# KiCad board RP2040-Breadstick Panel.kicad_pcb (continued)
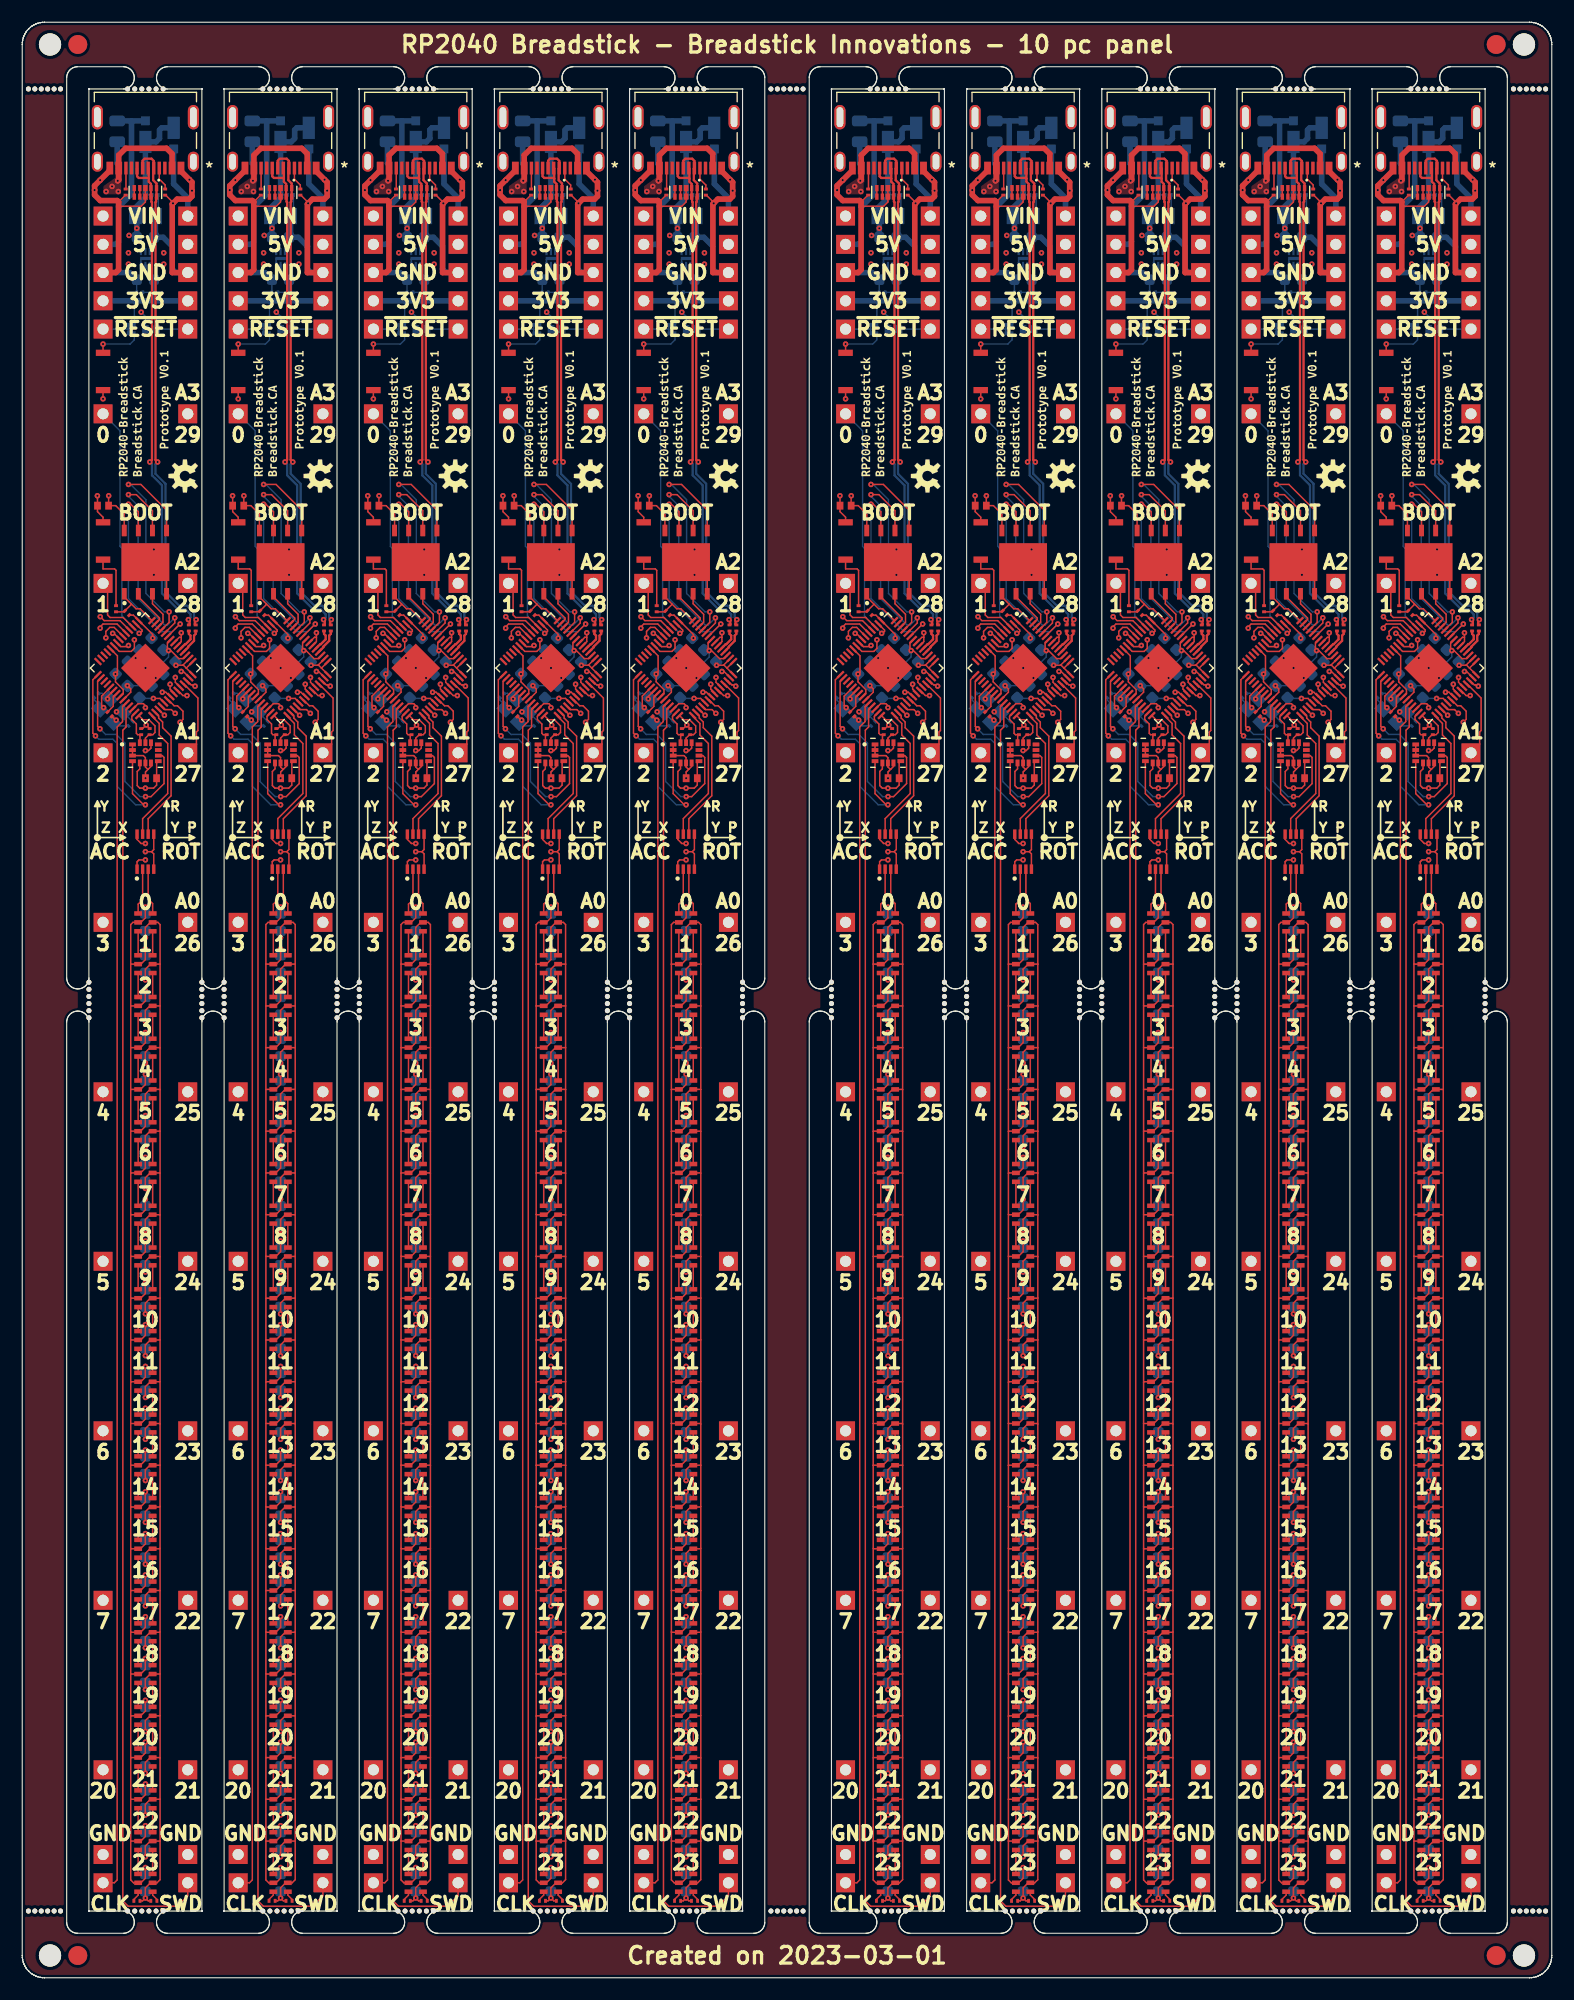
[diagram p0: board, top side]
## Routing (per net, layer and track width the routed paths; a pad name or vN(x,y) marks a point on that pad's centre or on a via; arc(x,y) is an arc through that point) (continued)
Board_9-/RP2040/D4: length 44.8
  L1_SIG.Cu w0.127: U201#3.6 123.71,121.42 123.32,121.42 122.96,121.06 v1(122.96,120.48)
  L3_SIG.Cu w0.127: J209.1 122.71,92.33 123.84,93.46 123.84,108.2 124.3,108.66 124.3,112.5 124.46,112.66 124.46,114.39 122.96,115.89 v1(122.96,120.48)
Board_9-/RP2040/D5: length 59
  L1_SIG.Cu w0.127: v1(123.57,120.88) 123.68,120.88 U201#3.7
  L3_SIG.Cu w0.127: v1(123.57,120.88) 123.57,117.89 123.32,117.63 123.32,116.98 124.83,115.47 124.83,112.25 124.76,112.18 124.76,108.31 124.43,107.98 124.43,92.85 123.85,92.27 123.85,78.22 122.71,77.08 J210#5.1
Board_9-/RP2040/D6: length 73.9
  L1_SIG.Cu w0.127: v1(125,119.79) 124.89,119.69 124.31,119.69 U201#3.8
  L3_SIG.Cu w0.127: v1(125,119.79) 124.64,119.79 124.36,119.51 124.36,117.72 125.42,116.66 125.42,114.03 125.23,113.84 125.23,112.07 125.17,112.01 125.17,108.08 125.02,107.93 125.02,92.21 124.5,91.69 124.5,63.31 122.71,61.52 J211#6.1
Board_9-/RP2040/D7: length 91.4
  L1_SIG.Cu w0.127: v1(125.53,120.3) 125.53,119.54 125.25,119.26 124.17,119.26 U201#3.9
  L3_SIG.Cu w0.127: v1(125.53,120.3) 125.53,119.33 125.13,118.93 125.13,118.17 126.19,117.11 126.19,114.79 125.85,114.45 125.85,113.42 125.62,113.19 125.62,107.8 125.5,107.68 125.5,91.44 125.26,91.2 125.26,62.09 124.04,60.87 124.04,44.1 122.71,42.77 J212#2.1
Board_9-/RP2040/D20: length 98.8
  L1_SIG.Cu w0.127: v1(128.23,113.52) 128.21,113.52 U201#3.31
  L3_SIG.Cu w0.127: v1(128.23,113.52) 126.71,113.52 126.03,112.84 126.03,61.15 125.29,60.41 125.29,32.49 122.71,29.91 J204#7.1
Board_9-/RP2040/D21: length 99.2
  L1_SIG.Cu w0.127: U201#3.32 128.27,114.03 128.86,114.03 129.19,113.69 v1(129.2,113.69)
  L3_SIG.Cu w0.127: v1(129.2,113.69) 129,113.49 129,113.17 128.83,113 128.03,113 127.03,112 127.03,61.15 127.78,60.4 127.78,32.39 130.33,29.84 J203#10.1
Board_9-/RP2040/D22: length 84.5
  L1_SIG.Cu w0.127: v1(129.64,112.89) 129.9,113.15 129.9,113.88 129.41,114.37 129.11,114.37 128.57,114.91 U201#3.34
  L3_SIG.Cu w0.127: v1(129.64,112.89) 129.36,112.61 128.29,112.61 127.5,111.82 127.5,107.82 127.58,107.74 127.58,91.48 127.81,91.25 127.81,62.28 129.03,61.06 129.03,44.18 130.27,42.94 130.27,34 J213#2.1
Board_9-/RP2040/D23: length 71.1
  L1_SIG.Cu w0.127: U201#3.35 128.75,115.19 128.35,115.59 v1(128.04,115.59)
  L3_SIG.Cu w0.127: v1(128.04,115.59) 128.36,115.59 130.16,113.79 130.16,112.48 129.92,112.24 128.5,112.24 127.96,111.7 127.96,108.08 128.1,107.94 128.1,92.01 128.55,91.56 128.55,63.31 130.33,61.53 J214#8.1
Board_9-/RP2040/D24: length 56.2
  L1_SIG.Cu w0.127: U201#3.36 129.09,115.52 128.74,115.87 v1(128.74,116.31)
  L3_SIG.Cu w0.127: v1(128.74,116.31) 128.74,115.87 130.53,114.08 130.53,112.19 130.25,111.92 128.7,111.92 128.38,111.6 128.38,108.31 128.64,108.05 128.64,92.71 129.2,92.15 129.2,78.12 130.33,76.99 J215#4.1
Board_9-/RP2040/D25: length 39.4
  L1_SIG.Cu w0.127: v1(130.26,115.29) 129.89,115.29 129.42,115.76 U201#3.37
  L3_SIG.Cu w0.127: v1(130.26,115.29) 130.88,114.67 130.88,111.95 130.56,111.63 128.98,111.63 128.79,111.44 128.79,108.69 129.21,108.27 129.21,93.35 130.33,92.23 J202#5.1
Board_9-/RP2040/MCU_QSPI_CSN: length 5.4
  L1_SIG.Cu w0.127: 125.24,123.54 125.68,123.09 126.04,123.09 U201#3.56 ; 125.24,123.54 125.24,123.47 R205#9.2 124.59,122.82 R204#10.2 ; 125.24,123.54 124.61,124.16 U203#4.1
Board_9-/RP2040/MCU_QSPI_SCLK: length 20.6
  L1_SIG.Cu w0.127: v1(129.16,122.28) 129.16,121.82 U201#3.52 ; 127.16,130.13 127.16,131.91 125.71,133.36 v1(125,133.36)
  L8_SIG.Cu w0.127: v1(129.16,122.28) 128.5,121.62 128.25,121.62 125.86,124.01 125.86,132.34 125,133.2 v1(125,133.36)
Board_9-/RP2040/MCU_QSPI_SD0: length 21.5
  L1_SIG.Cu w0.127: U203#4.5 128.42,131.96 126.11,134.27 v1(125,134.27) ; v1(128.65,122.81) 128.65,121.87 U201#3.53
  L8_SIG.Cu w0.127: v1(125,134.27) 125.2,134.27 126.57,132.9 126.57,124.47 128.22,122.81 v1(128.65,122.81)
Board_9-/RP2040/MCU_QSPI_SD1: length 3.6
  L1_SIG.Cu w0.127: U201#3.55 127.79,122.14 127.79,122.26 125.89,124.16 U203#4.2
Board_9-/RP2040/MCU_QSPI_SD2: length 3.5
  L1_SIG.Cu w0.127: 127.16,124.44 127.16,123.55 128.1,122.6 128.1,121.89 U201#3.54
Board_9-/RP2040/MCU_QSPI_SD3: length 19.1
  L1_SIG.Cu w0.127: v1(125,132.49) 125.2,132.49 125.89,131.81 U203#4.7 ; v1(129.64,121.72) 129.63,121.72 U201#3.51
  L8_SIG.Cu w0.127: v1(129.64,121.72) 128.96,121.04 127.97,121.04 125,124.01 v1(125,132.49)
Board_9-/RP2040/MCU_USB_D+: length 2.1
  L1_SIG.Cu w0.2: U201#3.47 130.08,119.91 130.14,119.91
  L1_SIG.Cu w0.203: 130.14,119.91 130.58,120.35 130.58,120.68 130.43,120.83 R203#8.1
Board_9-/RP2040/MCU_USB_D-: length 2.3
  L1_SIG.Cu w0.2: U201#3.46 130.37,119.63 130.37,119.68
  L1_SIG.Cu w0.203: 130.37,119.68 130.9,120.21 130.9,120.68 131.04,120.83 R202.1
Board_9-/RP2040/USB_D+: length 45.2
  L1_SIG.Cu w0.203: 126.82,161.77 126.76,161.83 125.92,161.83 125.77,161.98 J221#4.B6 ; 126.82,161.77 126.82,162.67 J221#4.A6 ; 126.82,161.77 126.82,161.49 127.02,161.29 U202#3.2 U202#3.9 127.06,160.11 127.06,159.7 127.11,159.64 127.11,136.48 v1(126.92,136.29) ; R203#8.2 130.5,121.71 130.5,122 v1(130.39,122.12)
  L8_SIG.Cu w0.203: v1(130.39,122.12) 130.58,122.31 130.58,122.6 130.12,123.05 129.43,123.05 128.01,124.47 128.01,134.19 127.11,135.09 127.11,136.1 v1(126.92,136.29)
Board_9-/RP2040/USB_D-: length 45.9
  L1_SIG.Cu w0.203: v1(131.09,122.12) 130.97,122 130.97,121.71 R202.2 ; J221#4.A7 126.27,163.38 126.45,163.56 127.07,163.56 127.27,163.36 J221#4.B7 127.22,162.67 127.22,161.63 127.52,161.33 U202#3.1 U202#3.10 127.48,160.11 127.48,159.7 127.43,159.64 127.43,136.48 v1(127.62,136.29)
  L8_SIG.Cu w0.203: v1(131.09,122.12) 130.9,122.31 130.9,122.73 130.26,123.37 129.57,123.37 128.33,124.61 128.33,134.33 127.43,135.23 127.43,136.1 v1(127.62,136.29)
Board_9-/RP2040/~{RESET}: length 49.9
  L1_SIG.Cu w0.127: U201#3.26 125.87,114.56 126.34,114.56 126.52,114.38 v1(126.52,114.2)
  L3_SIG.Cu w0.127: 125.89,148.24 125.89,121.77 126.57,121.09 126.57,118.52 127.15,117.94 127.15,117.49 126.75,117.09 126.75,114.43 v1(126.52,114.2)
  L3_SIG.Cu w0.5: J201#3.1 J222#4.1
  L8_SIG.Cu w0.127: C207#5.1 J201#3.1 ; 124.98,148.22 124.95,148.24 J222#4.1 ; 124.98,148.22 R211#9.2 ; 124.98,148.22 R208#4.2
Board_9-GND: length 241.1
  L1_SIG.Cu w0.127: 127.08,101.25 127.27,101.44 IC301#10.5 ; 127.08,101.25 v1(126.52,101.25) ; 127.08,101.25 127.27,101.06 IC301#10.4 ; U202#3.3 U202#3.8 126.52,159.67 126.14,159.29 124.11,159.29 ; 127.84,12.3 127.83,12.29 LED323#6.2 126.97,12.29 126.52,11.84 v1(126.52,10.88) ; 127.84,12.3 127.84,8.82 127.56,8.54 LED324#4.2 126.97,8.54 126.52,8.08 v1(126.52,7.17) ; 127.84,12.3 127.84,16.06 ; v1(126.52,7.17) 126.27,6.91 R304#6.2 ; v1(126.52,7.17) 126.77,6.91 R305#6.2 ; 127.84,38.61 127.84,34.8 ; 127.84,38.61 127.8,38.57 LED316#8.2 126.94,38.57 126.52,38.16 v1(126.52,37.19) ; 127.84,38.61 127.84,42.37 ; 127.84,34.8 127.84,31.1 ; 127.84,34.8 127.83,34.82 LED317#10.2 126.94,34.82 126.52,34.4 v1(126.52,33.43) ; 126.77,108.67 126.72,108.67 126.52,108.87 U401#7.6 126.52,109.71 126.34,109.89 U401#7.3 U401#7.2 U401#7.1 ; 126.77,108.67 126.53,108.42 v1(126.53,107.86) C401#5.2 ; 126.77,108.67 127.02,108.91 U401#7.7 ; 127.84,49.79 127.84,46.08 ; 127.84,49.79 127.84,53.6 ; 127.84,49.79 127.79,49.84 LED313#10.2 126.97,49.84 126.52,49.38 v1(126.52,48.42) ; 127.84,46.08 LED314#7.2 126.93,46.08 126.52,45.67 v1(126.52,44.71) ; 127.84,46.08 127.84,42.37 ; v1(129,159.55) 129,159.63 128.34,160.28 R207#4.2 ; 127.84,27.34 127.84,23.58 ; 127.84,27.34 127.84,31.1 ; 127.84,27.34 127.81,27.31 LED319#6.2 126.95,27.31 126.52,26.88 v1(126.52,25.91) ; 127.84,23.58 127.82,23.55 LED320#10.2 126.95,23.55 126.52,23.12 v1(126.52,22.15) ; 127.84,23.58 127.84,19.77 ; U203#4.4 128.42,127.29 v1(127.28,128.43) ; 127.84,16.06 127.83,16.04 LED322#4.2 126.96,16.04 126.52,15.6 v1(126.52,14.64) ; 127.84,16.06 127.84,19.77 ; v1(127.28,126.14) 127.28,126.52 U203#4.9 ; v1(126.52,89.72) 126.52,90.68 126.98,91.14 LED302#5.2 127.84,91.14 ; v1(126.52,78.49) 126.52,79.46 126.94,79.88 LED305#4.2 127.83,79.88 127.84,79.86 ; v1(126.52,59.7) 126.52,60.66 126.96,61.1 LED310#2.2 127.82,61.1 127.84,61.12 ; 127.84,53.6 127.83,53.59 LED312#2.2 126.97,53.59 126.52,53.14 v1(126.52,52.18) ; 127.84,53.6 127.84,57.36 ; 127.84,87.38 127.84,83.62 ; 127.84,87.38 127.84,91.14 ; 127.84,87.38 127.84,87.39 LED303#8.2 126.93,87.39 126.52,86.98 v1(126.52,86.01) ; 127.84,83.62 127.83,83.63 LED304#9.2 126.93,83.63 126.52,83.22 v1(126.52,82.25) ; 127.84,83.62 127.84,79.86 ; 127.84,91.14 127.84,94.7 127.64,94.9 LED301#7.2 126.97,94.9 126.52,94.44 v1(126.52,93.53) ; 127.84,76.1 127.82,76.12 LED306#7.2 126.94,76.12 126.52,75.7 v1(126.52,74.73) ; 127.84,76.1 127.84,79.86 ; 127.84,76.1 127.84,72.34 ; 127.84,64.83 127.84,61.12 ; 127.84,64.83 127.81,64.86 LED309#5.2 126.96,64.86 126.52,64.42 v1(126.52,63.45) ; 127.84,64.83 127.84,68.59 ; 127.84,61.12 127.84,57.36 ; 127.84,68.59 127.81,68.61 LED308#7.2 126.95,68.61 126.52,68.18 v1(126.52,67.21) ; 127.84,68.59 127.84,72.34 ; 127.84,19.77 127.81,19.8 LED321#2.2 126.96,19.8 126.52,19.36 v1(126.52,18.4) ; 127.84,31.1 127.81,31.06 LED318.2 126.95,31.06 126.52,30.64 v1(126.52,29.67) ; 127.84,42.37 127.8,42.33 LED315#5.2 126.93,42.33 126.52,41.92 v1(126.52,40.95) ; v1(122.76,114.2) 122.58,114.38 122.58,115.24 U201#3.19 ; v1(126.52,70.97) 126.52,71.94 126.95,72.37 LED307#8.2 127.82,72.37 127.84,72.34 ; 127.84,57.36 127.83,57.35 LED311#4.2 126.97,57.35 126.52,56.9 v1(126.52,55.94) ; R206#10.2 124.72,160.28 124.12,159.68 124.09,159.68 ; v1(122.2,133.25) 122.21,133.25 C216#5.2 122.21,131.82 122.71,131.32 SW201#3.1 ; SW202#6.1 v1(122.71,141.97)
  L1_SIG.Cu w0.5: J221#4.A1/B12 129.72,162.44 v1(130.48,161.68) 130.71,161.45 v1(130.71,160.69) 130.71,160.18 130.46,159.92 129.38,159.92 v1(129,159.55) 128.93,159.48 128.93,153.32 J506#3.1 ; J505#8.1 123.85,153.32 124.11,153.57 124.11,159.67 123.98,159.8 122.46,159.8 121.95,160.31 v1(121.95,160.74) 121.95,161.13 v1(122.45,161.63) 123.32,162.5 J221#4.B1/A12
  L3_SIG.Cu w0.5: J505#8.1 J506#3.1
  L8_SIG.Cu w0.127: v1(126.52,82.25) C306#5.2 ; v1(126.52,22.15) C322#6.2 ; v1(126.52,40.95) C317#5.2 ; U501#9.7 126.19,154.59 126.12,154.52 U501#9.3 ; v1(126.14,149.76) 126.53,149.38 C207#5.2 ; C309#3.2 126.52,71.58 v1(126.52,70.97) ; v1(126.52,86.01) C305#3.2 ; v1(126.52,18.4) C323#4.2 ; C201#9.2 121.93,114.88 122.41,114.41 ; v1(126.52,93.53) 126.52,94.13 ; C501#4.2 127.68,158.66 R501#5.1 ; v1(126.52,10.88) C325#10.2 ; v1(126.52,67.21) C310#7.2 ; v1(126.52,89.72) C304#6.2 ; v1(126.52,52.18) C314#7.2 ; v1(126.52,78.49) C307#3.2 ; C203.2 125.36,112.95 124.53,113.78 Y201#2.2 ; R502#5.1 125.74,152.68 C503#6.2 ; v1(126.52,74.73) 126.52,75.34 C308#2.2 ; v1(126.52,14.64) C324#2.2 ; v1(126.52,63.45) C311#5.2 ; v1(126.52,44.71) C316#10.2 ; v1(126.52,29.67) C320#7.2 ; v1(126.52,55.94) C313#7.2 ; v1(126.52,33.43) C319#6.2 ; v1(126.52,37.19) C318#9.2 ; v1(126.52,7.17) C326#4.2 ; v1(126.52,59.7) C312#3.2 ; v1(126.52,48.42) C315#10.2 ; v1(126.52,25.91) C321#3.2
  L8_SIG.Cu w0.203: C503#6.2 126.12,153.06 U501#9.3
  L8_SIG.Cu w0.5: C503#6.2 125.73,152.69 125.1,153.32 J505#8.1 ; C501#4.2 127.42,156.62 C502#5.2 128.12,156.5 128.93,155.68 128.93,153.62 129.24,153.32 J506#3.1
  vias: v1(123.92,113.83) v1(125.64,118.66) v1(126.53,117.77) v1(127.45,116.87)
Board_9-IMU_INT1: length 19.6
  L1_SIG.Cu w0.127: v1(126.52,105.47) 126.36,105.47 125.36,106.47 U401#7.4 ; v1(122.03,111.66) 121.79,111.9 121.79,116.71 U201#3.15
  L8_SIG.Cu w0.127: v1(122.03,111.66) 122.33,111.36 123.6,111.36 124,110.96 124,107.11 125.64,105.47 v1(126.52,105.47)
Board_9-IMU_INT2: length 18.5
  L1_SIG.Cu w0.127: U401#7.9 128.03,109.89 128.2,109.72 128.2,107.37 127.03,106.2 v1(126.53,106.2) ; U201#3.16 122.22,116.57 122.22,112.51 v1(122.43,112.3)
  L8_SIG.Cu w0.127: v1(126.53,106.2) 126.04,106.2 124.68,107.56 124.68,111.01 123.9,111.79 122.94,111.79 v1(122.43,112.3)
Board_9-IMU_SCL: length 3.9
  L1_SIG.Cu w0.127: U201#3.28 126.3,113.12 126.83,113.12 127.38,112.56 127.38,111.97 127.18,111.77 R210#6.1 126.83,111.77 126.52,111.46 U401#7.13
Board_9-IMU_SDA: length 3.4
  L1_SIG.Cu w0.127: U201#3.27 125.3,113.43 125.3,113.14 125.71,112.73 125.71,111.89 125.83,111.77 R209.1 126.03,111.66 126.03,111.06 U401#7.14
Board_9-LED_CLK: length 12.2
  L1_SIG.Cu w0.127: IC301#10.7 126.27,104.23 128.53,106.48 128.53,110.98 127.76,111.74 127.76,112.78 127.11,113.44 U201#3.29
Board_9-LED_DATA: length 12.4
  L1_SIG.Cu w0.127: IC301#10.6 126.77,104.22 128.83,106.28 128.83,111.64 128.07,112.4 128.07,112.91 127.71,113.26 127.71,113.45 U201#3.30
Board_9-Net-(C201-Pad1): length 2
  L1_SIG.Cu w0.127: U201#3.20 123.12,115.2 v1(123.12,114.99)
  L8_SIG.Cu w0.127: v1(123.12,114.99) 122.62,115.49 C201#9.1
Board_9-Net-(C203-Pad1): length 2.1
  L1_SIG.Cu w0.127: R201#9.1 123.83,113.08 v1(123.89,113.08)
  L8_SIG.Cu w0.127: C203.1 123.89,112.56 Y201#2.3
Board_9-Net-(J221-PadA5): length 2.1
  L1_SIG.Cu w0.127: R207#4.1 128.3,161.19 127.77,161.72 J221#4.A5
Board_9-Net-(J221-PadB5): length 1.9
  L1_SIG.Cu w0.127: J221#4.B5 124.77,160.86 R206#10.1
Board_9-Net-(LED301-Pad1): length 2.2
  L1_SIG.Cu w0.127: LED301#7.1 LED302#5.3
Board_9-Net-(LED301-Pad6): length 2.2
  L1_SIG.Cu w0.127: LED301#7.6 LED302#5.4
Board_9-Net-(LED302-Pad1): length 2.2
  L1_SIG.Cu w0.127: LED302#5.1 LED303#8.3
Board_9-Net-(LED302-Pad6): length 2.2
  L1_SIG.Cu w0.127: LED302#5.6 LED303#8.4
Board_9-Net-(LED303-Pad1): length 2.2
  L1_SIG.Cu w0.127: LED303#8.1 LED304#9.3
Board_9-Net-(LED303-Pad6): length 2.2
  L1_SIG.Cu w0.127: LED303#8.6 LED304#9.4
Board_9-Net-(LED304-Pad1): length 2.2
  L1_SIG.Cu w0.127: LED304#9.1 LED305#4.3
Board_9-Net-(LED304-Pad6): length 2.2
  L1_SIG.Cu w0.127: LED304#9.6 LED305#4.4
Board_9-Net-(LED305-Pad1): length 2.2
  L1_SIG.Cu w0.127: LED305#4.1 LED306#7.3
Board_9-Net-(LED305-Pad6): length 2.2
  L1_SIG.Cu w0.127: LED305#4.6 LED306#7.4
Board_9-Net-(LED306-Pad1): length 2.2
  L1_SIG.Cu w0.127: LED306#7.1 LED307#8.3
Board_9-Net-(LED306-Pad6): length 2.2
  L1_SIG.Cu w0.127: LED306#7.6 LED307#8.4
Board_9-Net-(LED307-Pad1): length 2.2
  L1_SIG.Cu w0.127: LED307#8.1 LED308#7.3
Board_9-Net-(LED307-Pad6): length 2.2
  L1_SIG.Cu w0.127: LED307#8.6 LED308#7.4
Board_9-Net-(LED308-Pad1): length 2.2
  L1_SIG.Cu w0.127: LED308#7.1 LED309#5.3
Board_9-Net-(LED308-Pad6): length 2.2
  L1_SIG.Cu w0.127: LED308#7.6 LED309#5.4
Board_9-Net-(LED309-Pad1): length 2.2
  L1_SIG.Cu w0.127: LED309#5.1 LED310#2.3
Board_9-Net-(LED309-Pad6): length 2.2
  L1_SIG.Cu w0.127: LED309#5.6 LED310#2.4
Board_9-Net-(LED310-Pad1): length 2.2
  L1_SIG.Cu w0.127: LED310#2.1 LED311#4.3
Board_9-Net-(LED310-Pad6): length 2.2
  L1_SIG.Cu w0.127: LED310#2.6 LED311#4.4
Board_9-Net-(LED311-Pad1): length 2.2
  L1_SIG.Cu w0.127: LED311#4.1 LED312#2.3
Board_9-Net-(LED311-Pad6): length 2.2
  L1_SIG.Cu w0.127: LED311#4.6 LED312#2.4
Board_9-Net-(LED312-Pad1): length 2.2
  L1_SIG.Cu w0.127: LED312#2.1 LED313#10.3
Board_9-Net-(LED312-Pad6): length 2.2
  L1_SIG.Cu w0.127: LED312#2.6 LED313#10.4
Board_9-Net-(LED313-Pad1): length 2.2
  L1_SIG.Cu w0.127: LED313#10.1 LED314#7.3
Board_9-Net-(LED313-Pad6): length 2.2
  L1_SIG.Cu w0.127: LED313#10.6 LED314#7.4
Board_9-Net-(LED314-Pad1): length 2.2
  L1_SIG.Cu w0.127: LED314#7.1 LED315#5.3
Board_9-Net-(LED314-Pad6): length 2.2
  L1_SIG.Cu w0.127: LED314#7.6 LED315#5.4
Board_9-Net-(LED315-Pad1): length 2.2
  L1_SIG.Cu w0.127: LED315#5.1 LED316#8.3
Board_9-Net-(LED315-Pad6): length 2.2
  L1_SIG.Cu w0.127: LED315#5.6 LED316#8.4
Board_9-Net-(LED316-Pad1): length 2.2
  L1_SIG.Cu w0.127: LED316#8.1 LED317#10.3
Board_9-Net-(LED316-Pad6): length 2.2
  L1_SIG.Cu w0.127: LED316#8.6 LED317#10.4
Board_9-Net-(LED317-Pad1): length 2.2
  L1_SIG.Cu w0.127: LED317#10.1 LED318.3
Board_9-Net-(LED317-Pad6): length 2.2
  L1_SIG.Cu w0.127: LED317#10.6 LED318.4
Board_9-Net-(LED318-Pad1): length 2.2
  L1_SIG.Cu w0.127: LED318.1 LED319#6.3
Board_9-Net-(LED318-Pad6): length 2.2
  L1_SIG.Cu w0.127: LED318.6 LED319#6.4
Board_9-Net-(LED319-Pad1): length 2.2
  L1_SIG.Cu w0.127: LED319#6.1 LED320#10.3
Board_9-Net-(LED319-Pad6): length 2.2
  L1_SIG.Cu w0.127: LED319#6.6 LED320#10.4
Board_9-Net-(LED320-Pad1): length 2.2
  L1_SIG.Cu w0.127: LED320#10.1 LED321#2.3
Board_9-Net-(LED320-Pad6): length 2.2
  L1_SIG.Cu w0.127: LED320#10.6 LED321#2.4
Board_9-Net-(LED321-Pad1): length 2.2
  L1_SIG.Cu w0.127: LED321#2.1 LED322#4.3
Board_9-Net-(LED321-Pad6): length 2.2
  L1_SIG.Cu w0.127: LED321#2.6 LED322#4.4
Board_9-Net-(LED322-Pad1): length 2.2
  L1_SIG.Cu w0.127: LED322#4.1 LED323#6.3
Board_9-Net-(LED322-Pad6): length 2.2
  L1_SIG.Cu w0.127: LED322#4.6 LED323#6.4
Board_9-Net-(LED323-Pad1): length 2.2
  L1_SIG.Cu w0.127: LED323#6.1 LED324#4.3
Board_9-Net-(LED323-Pad6): length 2.2
  L1_SIG.Cu w0.127: LED323#6.6 LED324#4.4
Board_9-Net-(LED324-Pad1): length 1
  L1_SIG.Cu w0.127: R305#6.1 127.56,7.05 127.17,7.43 LED324#4.1
Board_9-Net-(LED324-Pad6): length 1
  L1_SIG.Cu w0.127: LED324#4.6 125.87,7.43 125.48,7.05 R304#6.1
Board_9-Net-(R201-Pad2): length 2
  L1_SIG.Cu w0.127: U201#3.21 123.62,115.15 123.62,114.32 R201#9.2
Board_9-Net-(R204-Pad1): length 5.2
  L1_SIG.Cu w0.127: R204#10.1 123.88,126.55 123.75,126.68 122.71,126.68 SW201#3.2
Board_9-Net-(R211-Pad1): length 4.3
  L1_SIG.Cu w0.127: SW202#6.2 v1(122.71,146.89)
  L8_SIG.Cu w0.127: 125.52,147.86 125.52,147.27 125.15,146.89 v1(122.71,146.89)
Board_9-Net-(U202-Pad4): length 0.8
  L1_SIG.Cu w0.127: U202#3.4 U202#3.7
Board_9-Net-(U202-Pad5): length 0.8
  L1_SIG.Cu w0.127: U202#3.5 U202#3.6
Board_9-SWCLK: length 107.5
  L1_SIG.Cu w0.127: U201#3.24 124.46,114.29 124.46,112.95 123.98,112.46 123.98,8.79 123.73,8.54 J223#3.1
Board_9-SWD: length 115.3
  L1_SIG.Cu w0.127: J224#4.1 130.33,7.37 129.39,6.43 124.97,6.43 124.49,6.91 124.49,112.17 124.78,112.46 124.78,114.04 U201#3.25
Board_9-VBUS: length 12.5
  L1_SIG.Cu w0.5: J221#4.A4/B9 128.92,164 128.42,164.5 124.74,164.5 124.12,163.87 J221#4.B4/A9 124.12,161.66 v1(124.03,161.58)
  L8_SIG.Cu w0.5: v1(124.03,161.58) 124.11,161.65 124.11,163 123.98,163.12 F501#7.1
  vias: v1(122.99,160.61) v1(123.52,161.07) v1(124.08,160.61)
Board_9-VHI: length 174.3
  L1_SIG.Cu w0.127: 125.2,23.53 125.23,23.55 LED320#10.5 126.09,23.55 126.52,23.98 v1(126.52,24.95) ; 125.2,23.53 125.2,27.34 ; 125.2,23.53 125.2,19.77 ; v1(126.52,39.93) 126.52,39.02 126.07,38.57 LED316#8.5 125.24,38.57 125.2,38.61 ; v1(126.52,84.99) 126.52,84.08 126.07,83.63 LED304#9.5 125.21,83.63 125.2,83.62 ; 125.2,79.86 125.21,79.88 LED305#4.5 126.08,79.88 126.52,80.32 v1(126.52,81.23) ; 125.2,79.86 125.2,83.62 ; 125.2,79.86 125.2,76.1 ; 125.2,31.1 125.2,27.34 ; 125.2,31.1 125.23,31.06 LED318.5 126.08,31.06 126.52,31.5 v1(126.52,32.47) ; 125.2,31.1 125.2,34.8 ; 125.2,27.34 125.23,27.31 LED319#6.5 126.09,27.31 126.52,27.74 v1(126.52,28.71) ; v1(126.52,43.69) 126.52,42.78 126.07,42.33 LED315#5.5 125.24,42.33 125.2,42.37 ; 125.2,19.77 125.2,16.06 ; 125.2,19.77 125.23,19.8 LED321#2.5 126.1,19.8 126.52,20.22 v1(126.52,21.19) ; 125.2,16.06 125.21,16.04 LED322#4.5 126.1,16.04 126.52,16.46 v1(126.52,17.43) ; 125.2,16.06 125.2,12.3 ; 125.2,38.61 125.2,42.37 ; 125.2,38.61 125.2,34.8 ; 125.2,83.62 125.2,87.38 ; v1(126.52,62.49) 126.52,61.52 126.1,61.1 LED310#2.5 125.23,61.1 125.2,61.07 ; 125.2,91.14 125.2,87.38 ; 125.2,91.14 125.2,94.7 125.4,94.9 LED301#7.5 126.11,94.9 126.52,95.31 v1(126.52,96.27) ; 125.2,91.14 LED302#5.5 126.11,91.14 126.52,91.55 v1(126.52,92.51) ; 125.2,87.38 125.2,87.39 LED303#8.5 126.07,87.39 126.52,87.84 v1(126.52,88.75) ; 125.2,61.07 125.2,57.36 ; 125.2,61.07 125.2,64.88 ; 125.2,57.36 125.2,53.55 ; 125.2,57.36 125.21,57.35 LED311#4.5 126.1,57.35 126.52,57.77 v1(126.52,58.73) ; 125.2,68.64 125.22,68.61 LED308#7.5 126.09,68.61 126.52,69.04 v1(126.52,70.01) ; 125.2,68.64 125.2,72.34 ; 125.2,68.64 125.2,64.88 ; 125.2,12.3 125.2,8.79 125.46,8.54 LED324#4.5 126.11,8.54 126.52,8.95 v1(126.52,9.91) ; 125.2,12.3 125.21,12.29 LED323#6.5 126.1,12.29 126.52,12.71 v1(126.52,13.67) ; v1(126.52,100.51) 125.94,100.51 125.77,100.35 IC301#10.1 ; 125.2,53.55 125.24,53.59 LED312#2.5 126.11,53.59 126.52,54.01 v1(126.52,54.97) ; 125.2,53.55 125.2,49.84 ; 125.2,42.37 125.2,46.08 ; v1(126.52,66.25) 126.52,65.28 126.09,64.86 LED309#5.5 125.22,64.86 125.2,64.88 ; 125.2,46.08 LED314#7.5 126.06,46.08 126.52,46.54 v1(126.52,47.45) ; 125.2,46.08 125.2,49.84 ; v1(126.52,73.77) 126.52,72.8 126.08,72.37 LED307#8.5 125.22,72.37 125.2,72.34 ; 125.2,72.34 125.2,76.1 ; v1(126.52,77.53) 126.52,76.56 126.08,76.12 LED306#7.5 125.22,76.12 125.2,76.1 ; 125.2,49.84 125.2,49.84 LED313#10.5 126.11,49.84 126.52,50.25 v1(126.52,51.21) ; 125.2,34.8 125.21,34.82 LED317#10.5 126.08,34.82 126.52,35.26 v1(126.52,36.23)
  L8_SIG.Cu w0.127: v1(126.52,28.71) C321#3.1 ; v1(126.52,77.53) 126.52,76.92 C308#2.1 ; v1(126.52,88.75) C305#3.1 ; v1(126.52,54.97) C314#7.1 ; v1(126.52,9.91) C326#4.1 ; v1(126.52,70.01) C310#7.1 ; C309#3.1 126.52,73.16 v1(126.52,73.77) ; v1(126.52,32.47) C320#7.1 ; v1(126.52,62.49) C312#3.1 ; v1(126.52,58.73) C313#7.1 ; v1(126.52,96.27) C303.1 ; v1(126.52,84.99) C306#5.1 ; v1(126.52,17.43) C324#2.1 ; v1(126.52,21.19) C323#4.1 ; v1(126.52,51.21) C315#10.1 ; R501#5.2 126.65,160.31 126.52,160.43 ; v1(126.52,13.67) C325#10.1 ; v1(126.52,66.25) C311#5.1 ; v1(126.52,36.23) C319#6.1 ; v1(126.52,47.45) C316#10.1 ; v1(126.52,81.23) C307#3.1 ; v1(126.52,39.93) C318#9.1 ; v1(126.52,92.51) C304#6.1 ; v1(126.52,24.95) C322#6.1 ; v1(126.52,43.69) C317#5.1
  L8_SIG.Cu w0.5: D501#7.1 127.98,166.34 127.79,166.15 127.79,165.39 127.48,165.07 D502#3.1 126.52,160.05 125.62,159.15 C501#4.1 125.74,158.28 v1(125.74,157.31) C502#5.1
  vias: v1(125.05,156.66) v1(125,155.1) v1(125,154.08) v1(128.17,155.1) v1(128.17,154.08)
Board_9-VIN: length 14.2
  L3_SIG.Cu w0.5: J502#2.1 J501#9.1
  L8_SIG.Cu w0.5: J501#9.1 130.33,160.03 129.06,161.3 D501#7.2

## Copper pours and planes (outline as drawn; the poured copper is in the pictures)
(no net) on L1_SIG.Cu: 135.61,175.83 135.59,175.83 2.01,175.83 1.99,175.83 0,173.84 0,173.82 0,2.01 0,1.99 1.99,0 2.01,0 135.59,0 135.61,0 137.6,1.99 137.6,2.01 137.6,173.82 137.6,173.84 ; 2 cut-outs
(no net) on L8_SIG.Cu: 135.61,175.83 135.59,175.83 2.01,175.83 1.99,175.83 0,173.84 0,173.82 0,2.01 0,1.99 1.99,0 2.01,0 135.59,0 135.61,0 137.6,1.99 137.6,2.01 137.6,173.82 137.6,173.84 ; 2 cut-outs
Board_0-3V3_LDO on L5_3V3.Cu: 16.16,6 6,6 6,169.83 16.16,169.83
Board_0-GND on L8_SIG.Cu: 12.09,118.28 10.56,116.75 9.05,118.4 10.45,119.79
Board_0-GND on L8_SIG.Cu: 13.25,117.12 11.85,115.72 11.16,116.41 12.55,117.81
Board_0-GND on L2_GND.Cu, L4_GND.Cu, L7_GND.Cu: 16.16,6 6,6 6,169.83 16.16,169.83
Board_0-VBUS on L1_SIG.Cu, L8_SIG.Cu: 8.97,161.45 8.9,161.37 8.9,160.36 7.3,160.36 7.3,161.09 8.39,161.85 8.39,162.62 8.97,162.62
Board_0-VHI on L8_SIG.Cu: 10.83,155.61 13.11,155.61 13.11,153.83 11.84,153.83 11.84,155.1 10.32,155.1 10.32,153.83 9.05,153.83 9.05,157 10.83,157
Board_0-VHI on L6_5VHIGH.Cu: 16.16,6 6,6 6,169.83 16.16,169.83
Board_1-3V3_LDO on L5_3V3.Cu: 28.32,6 18.16,6 18.16,169.83 28.32,169.83
Board_1-GND on L8_SIG.Cu: 24.25,118.28 22.72,116.75 21.21,118.4 22.61,119.79
Board_1-GND on L8_SIG.Cu: 25.41,117.12 24.01,115.72 23.32,116.41 24.71,117.81
Board_1-GND on L2_GND.Cu, L4_GND.Cu, L7_GND.Cu: 28.32,6 18.16,6 18.16,169.83 28.32,169.83
Board_1-VBUS on L1_SIG.Cu, L8_SIG.Cu: 21.13,161.45 21.06,161.37 21.06,160.36 19.46,160.36 19.46,161.09 20.55,161.85 20.55,162.62 21.13,162.62
Board_1-VHI on L8_SIG.Cu: 22.99,155.61 25.27,155.61 25.27,153.83 24,153.83 24,155.1 22.48,155.1 22.48,153.83 21.21,153.83 21.21,157 22.99,157
Board_1-VHI on L6_5VHIGH.Cu: 28.32,6 18.16,6 18.16,169.83 28.32,169.83
Board_2-3V3_LDO on L5_3V3.Cu: 40.48,6 30.32,6 30.32,169.83 40.48,169.83
Board_2-GND on L8_SIG.Cu: 36.41,118.28 34.88,116.75 33.37,118.4 34.77,119.79
Board_2-GND on L8_SIG.Cu: 37.57,117.12 36.17,115.72 35.48,116.41 36.87,117.81
Board_2-GND on L2_GND.Cu, L4_GND.Cu, L7_GND.Cu: 40.48,6 30.32,6 30.32,169.83 40.48,169.83
Board_2-VBUS on L1_SIG.Cu, L8_SIG.Cu: 33.29,161.45 33.22,161.37 33.22,160.36 31.62,160.36 31.62,161.09 32.71,161.85 32.71,162.62 33.29,162.62
Board_2-VHI on L8_SIG.Cu: 35.15,155.61 37.43,155.61 37.43,153.83 36.16,153.83 36.16,155.1 34.64,155.1 34.64,153.83 33.37,153.83 33.37,157 35.15,157
Board_2-VHI on L6_5VHIGH.Cu: 40.48,6 30.32,6 30.32,169.83 40.48,169.83
Board_3-3V3_LDO on L5_3V3.Cu: 52.64,6 42.48,6 42.48,169.83 52.64,169.83
Board_3-GND on L8_SIG.Cu: 48.57,118.28 47.04,116.75 45.53,118.4 46.92,119.79
Board_3-GND on L8_SIG.Cu: 49.73,117.12 48.33,115.72 47.64,116.41 49.03,117.81
Board_3-GND on L2_GND.Cu, L4_GND.Cu, L7_GND.Cu: 52.64,6 42.48,6 42.48,169.83 52.64,169.83
Board_3-VBUS on L1_SIG.Cu, L8_SIG.Cu: 45.45,161.45 45.38,161.37 45.38,160.36 43.78,160.36 43.78,161.09 44.87,161.85 44.87,162.62 45.45,162.62
Board_3-VHI on L8_SIG.Cu: 47.31,155.61 49.59,155.61 49.59,153.83 48.32,153.83 48.32,155.1 46.8,155.1 46.8,153.83 45.53,153.83 45.53,157 47.31,157
Board_3-VHI on L6_5VHIGH.Cu: 52.64,6 42.48,6 42.48,169.83 52.64,169.83
Board_4-3V3_LDO on L5_3V3.Cu: 64.8,6 54.64,6 54.64,169.83 64.8,169.83
Board_4-GND on L8_SIG.Cu: 60.73,118.28 59.2,116.75 57.69,118.4 59.09,119.79
Board_4-GND on L8_SIG.Cu: 61.89,117.12 60.49,115.72 59.8,116.41 61.19,117.81
Board_4-GND on L2_GND.Cu, L4_GND.Cu, L7_GND.Cu: 64.8,6 54.64,6 54.64,169.83 64.8,169.83
Board_4-VBUS on L1_SIG.Cu, L8_SIG.Cu: 57.61,161.45 57.54,161.37 57.54,160.36 55.94,160.36 55.94,161.09 57.03,161.85 57.03,162.62 57.61,162.62
Board_4-VHI on L8_SIG.Cu: 59.47,155.61 61.75,155.61 61.75,153.83 60.48,153.83 60.48,155.1 58.96,155.1 58.96,153.83 57.69,153.83 57.69,157 59.47,157
Board_4-VHI on L6_5VHIGH.Cu: 64.8,6 54.64,6 54.64,169.83 64.8,169.83
Board_5-3V3_LDO on L5_3V3.Cu: 82.96,6 72.8,6 72.8,169.83 82.96,169.83
Board_5-GND on L8_SIG.Cu: 78.89,118.28 77.36,116.75 75.85,118.4 77.25,119.79
Board_5-GND on L8_SIG.Cu: 80.05,117.12 78.65,115.72 77.96,116.41 79.35,117.81
Board_5-GND on L2_GND.Cu, L4_GND.Cu, L7_GND.Cu: 82.96,6 72.8,6 72.8,169.83 82.96,169.83
Board_5-VBUS on L1_SIG.Cu, L8_SIG.Cu: 75.77,161.45 75.7,161.37 75.7,160.36 74.1,160.36 74.1,161.09 75.19,161.85 75.19,162.62 75.77,162.62
Board_5-VHI on L8_SIG.Cu: 77.63,155.61 79.91,155.61 79.91,153.83 78.64,153.83 78.64,155.1 77.12,155.1 77.12,153.83 75.85,153.83 75.85,157 77.63,157
Board_5-VHI on L6_5VHIGH.Cu: 82.96,6 72.8,6 72.8,169.83 82.96,169.83
Board_6-3V3_LDO on L5_3V3.Cu: 95.12,6 84.96,6 84.96,169.83 95.12,169.83
Board_6-GND on L8_SIG.Cu: 91.05,118.28 89.52,116.75 88.01,118.4 89.41,119.79
Board_6-GND on L8_SIG.Cu: 92.21,117.12 90.81,115.72 90.12,116.41 91.51,117.81
Board_6-GND on L2_GND.Cu, L4_GND.Cu, L7_GND.Cu: 95.12,6 84.96,6 84.96,169.83 95.12,169.83
Board_6-VBUS on L1_SIG.Cu, L8_SIG.Cu: 87.93,161.45 87.86,161.37 87.86,160.36 86.26,160.36 86.26,161.09 87.35,161.85 87.35,162.62 87.93,162.62
Board_6-VHI on L8_SIG.Cu: 89.79,155.61 92.07,155.61 92.07,153.83 90.8,153.83 90.8,155.1 89.28,155.1 89.28,153.83 88.01,153.83 88.01,157 89.79,157
Board_6-VHI on L6_5VHIGH.Cu: 95.12,6 84.96,6 84.96,169.83 95.12,169.83
Board_7-3V3_LDO on L5_3V3.Cu: 107.28,6 97.12,6 97.12,169.83 107.28,169.83
Board_7-GND on L8_SIG.Cu: 103.21,118.28 101.68,116.75 100.17,118.4 101.56,119.79
Board_7-GND on L8_SIG.Cu: 104.37,117.12 102.97,115.72 102.28,116.41 103.67,117.81
Board_7-GND on L2_GND.Cu, L4_GND.Cu, L7_GND.Cu: 107.28,6 97.12,6 97.12,169.83 107.28,169.83
Board_7-VBUS on L1_SIG.Cu, L8_SIG.Cu: 100.09,161.45 100.02,161.37 100.02,160.36 98.42,160.36 98.42,161.09 99.51,161.85 99.51,162.62 100.09,162.62
Board_7-VHI on L8_SIG.Cu: 101.95,155.61 104.23,155.61 104.23,153.83 102.96,153.83 102.96,155.1 101.44,155.1 101.44,153.83 100.17,153.83 100.17,157 101.95,157
Board_7-VHI on L6_5VHIGH.Cu: 107.28,6 97.12,6 97.12,169.83 107.28,169.83
Board_8-3V3_LDO on L5_3V3.Cu: 119.44,6 109.28,6 109.28,169.83 119.44,169.83
Board_8-GND on L8_SIG.Cu: 115.37,118.28 113.84,116.75 112.33,118.4 113.73,119.79
Board_8-GND on L8_SIG.Cu: 116.53,117.12 115.13,115.72 114.44,116.41 115.83,117.81
Board_8-GND on L2_GND.Cu, L4_GND.Cu, L7_GND.Cu: 119.44,6 109.28,6 109.28,169.83 119.44,169.83
Board_8-VBUS on L1_SIG.Cu, L8_SIG.Cu: 112.25,161.45 112.18,161.37 112.18,160.36 110.58,160.36 110.58,161.09 111.67,161.85 111.67,162.62 112.25,162.62
Board_8-VHI on L8_SIG.Cu: 114.11,155.61 116.39,155.61 116.39,153.83 115.12,153.83 115.12,155.1 113.6,155.1 113.6,153.83 112.33,153.83 112.33,157 114.11,157
Board_8-VHI on L6_5VHIGH.Cu: 119.44,6 109.28,6 109.28,169.83 119.44,169.83
Board_9-3V3_LDO on L5_3V3.Cu: 131.6,6 121.44,6 121.44,169.83 131.6,169.83
Board_9-GND on L8_SIG.Cu: 127.53,118.28 126,116.75 124.49,118.4 125.89,119.79
Board_9-GND on L8_SIG.Cu: 128.69,117.12 127.29,115.72 126.6,116.41 127.99,117.81
Board_9-GND on L2_GND.Cu, L4_GND.Cu, L7_GND.Cu: 131.6,6 121.44,6 121.44,169.83 131.6,169.83
Board_9-VBUS on L1_SIG.Cu, L8_SIG.Cu: 124.41,161.45 124.34,161.37 124.34,160.36 122.74,160.36 122.74,161.09 123.83,161.85 123.83,162.62 124.41,162.62
Board_9-VHI on L8_SIG.Cu: 126.27,155.61 128.55,155.61 128.55,153.83 127.28,153.83 127.28,155.1 125.76,155.1 125.76,153.83 124.49,153.83 124.49,157 126.27,157
Board_9-VHI on L6_5VHIGH.Cu: 131.6,6 121.44,6 121.44,169.83 131.6,169.83

## Text on the board
F.Silkscreen: Y | Z | X | R | P | 0 | 1 | 2 | 3 | 4 | 5 | 6 | 7 | 20 | ACC | GND | CLK | VIN | 5V | 3V3 | ~{RESET} | BOOT | 8 | 9 | 10 | 11 | 12 | 13 | 14 | 15 | 16 | 17 | 18 | 19 | 21 | 22 | 23 | ROT | SWD | A3 | 29 | A2 | 28 | A1 | 27 | A0 | 26 | 25 | 24 | RP2040 Breadstick - Breadstick Innovations - 10 pc panel | Created on 2023-03-01
